# Altium PCB LimeSDR-Micro_M.2_2280_1v0.PcbDoc (part 1 of 7) (continued)
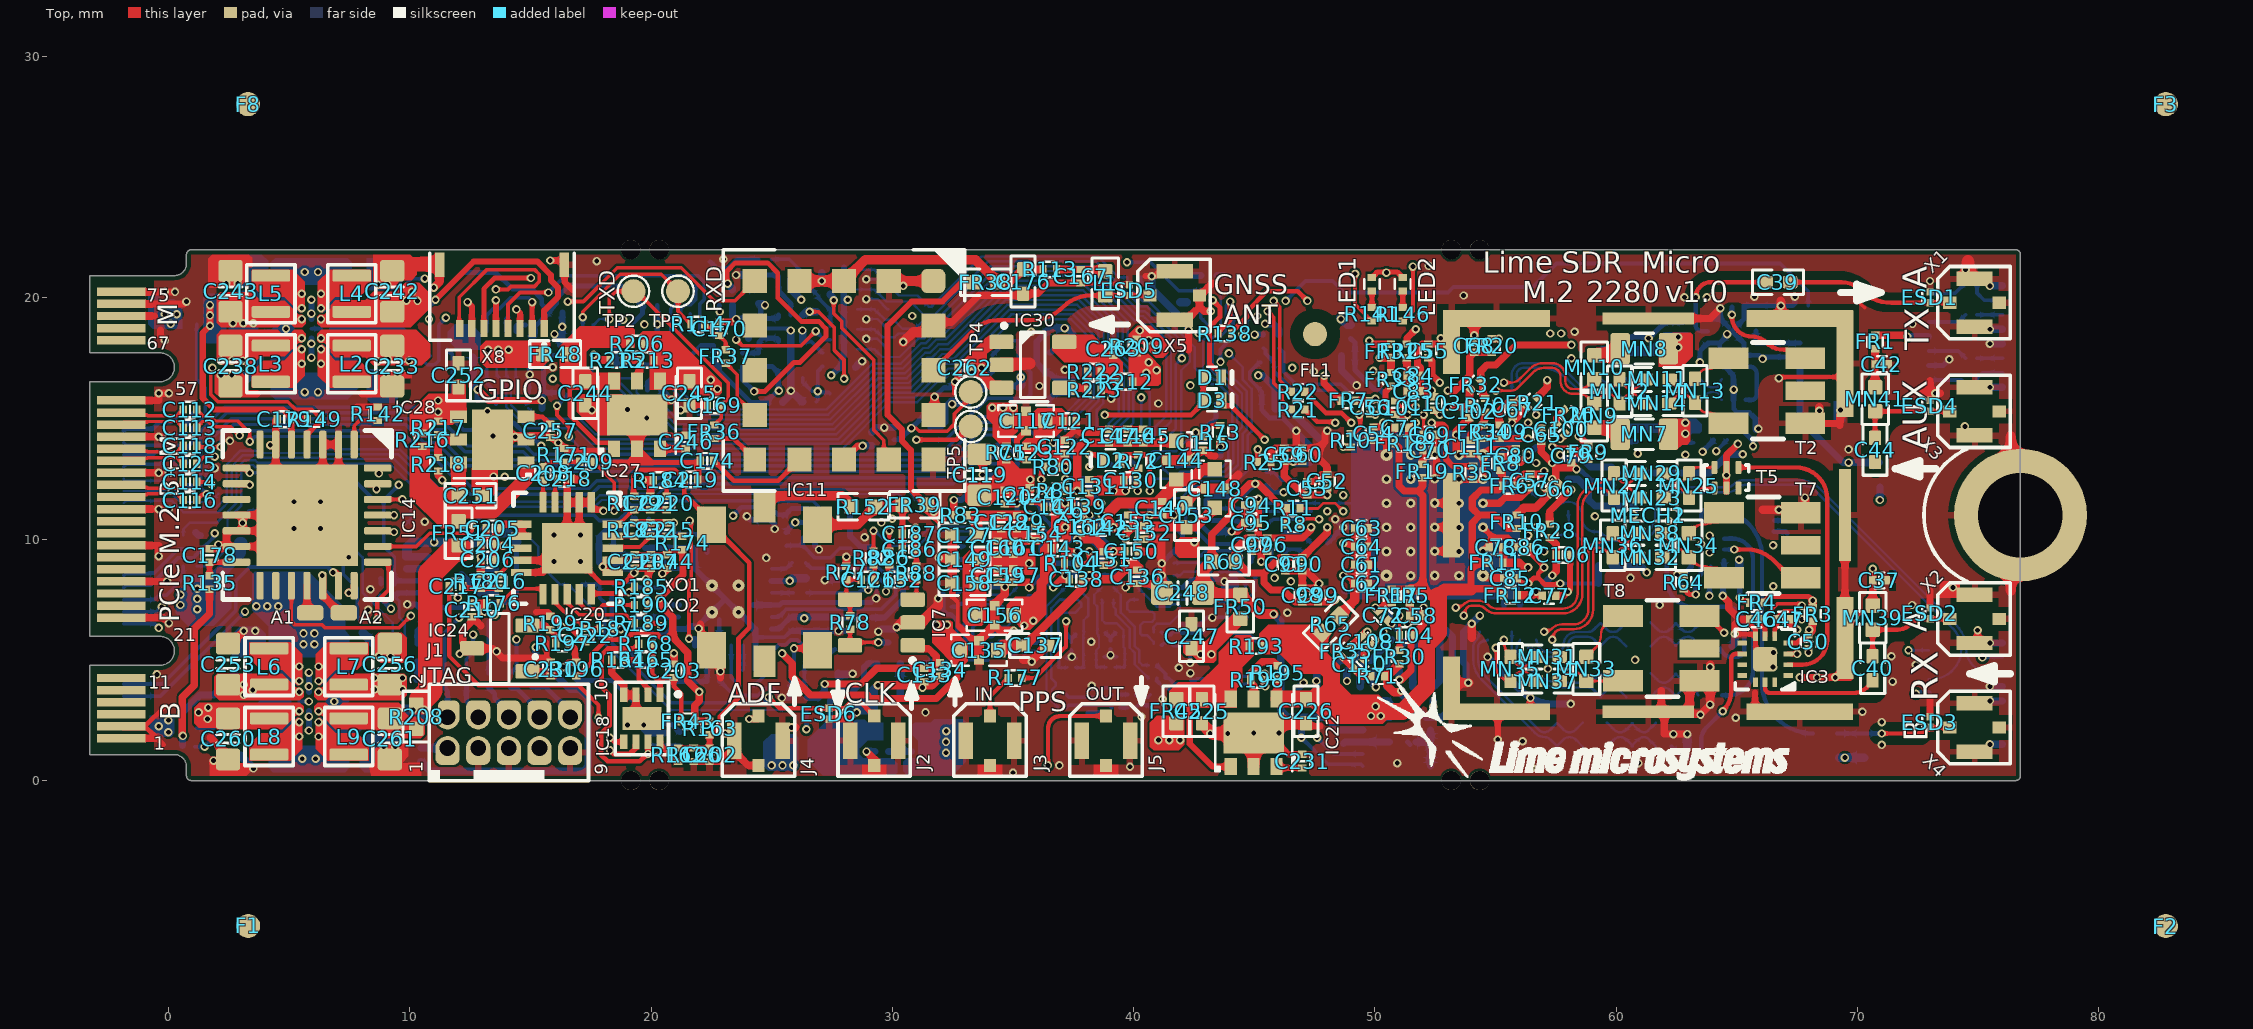
[diagram p0: Top view]
## Components (designator, comment, footprint, x,y, rotation, side; value= is the part's Value field where it differs from the comment)
C1 "4.7pF, 25V" CAP01005 37.041,5.075 r180 bottom
C2 "4.7pF, 25V" CAP01005 37.416,4.7 r180 bottom
C3 "4.7pF, 25V" CAP01005 37.791,5.075 r180 bottom
C4 "4.7pF, 25V" CAP01005 39.466,5.125 r0 bottom
C5 "4.7pF, 25V" CAP01005 39.041,4.7 r0 bottom
C6 "4.7pF, 25V" CAP01005 38.616,5.125 r0 bottom
C7 "22pF, 50V" CAP0201 45.541,17.325 r0 bottom
C8 "0R" CAP01005 35.306,5.8 r0 bottom
C9 "4.7pF, 25V" CAP01005 34.116,5.825 r90 bottom
C10 "22pF, 50V" CAP01005 33.166,6.15 r180 bottom
C11 "4.7pF, 25V" CAP01005 32.961,5.555 r0 bottom
C12 "0R" CAP01005 35.306,5.25 r0 bottom
C13 "0R" CAP01005 39.916,3.015 r0 bottom
C14 "4.7pF, 25V" CAP01005 38.141,2.96 r270 bottom
C15 "22pF, 50V" CAP01005 37.566,3.29 r90 bottom
C16 "4.7pF, 25V" CAP01005 38.141,3.62 r270 bottom
C17 "0R" CAP01005 39.916,3.565 r0 bottom
C18 "0R" CAP01005 43.741,4.11 r0 bottom
C19 "4.7pF, 25V" CAP01005 42.366,3.99 r90 bottom
C20 "22pF, 50V" CAP01005 41.341,4.075 r270 bottom
C21 "4.7pF, 25V" CAP01005 42.366,3.33 r90 bottom
C22 "0R" CAP01005 43.741,3.56 r0 bottom
C23 "0R" CAP01005 43.766,5.675 r0 bottom
C24 "4.7pF, 25V" CAP01005 42.403,5.62 r270 bottom
C25 "22pF, 50V" CAP01005 41.516,5.875 r90 bottom
C26 "4.7pF, 25V" CAP01005 42.403,6.28 r270 bottom
C27 "0R" CAP01005 43.766,6.225 r0 bottom
C28 "1uF, 6.3V" CAP0201 48.7,1.82 r270 bottom value="1uF, 20%"
C29 "100pF, 50V" CAP0201 60.216,18.1 r270 bottom
C30 "100pF, 50V" CAP0201 60.191,14.325 r90 bottom
C31 "100nF, 6.3V" CAP0201 60.866,18.1 r90 bottom
C32 "100nF, 6.3V" CAP0201 60.841,14.325 r270 bottom
C33 "100pF, 50V" CAP0201 63.316,14.35 r90 bottom
C34 "100pF, 50V" CAP0201 62.141,18.7 r270 bottom
C35 "100nF, 6.3V" CAP0201 62.441,14.35 r270 bottom
C36 "100nF, 6.3V" CAP0201 62.791,18.7 r90 bottom
C37 "1nF, 25V" CAP0201 70.905,8.295 r0 top
C38 "1nF, 25V" CAP0201 68.925,0.95 r180 bottom
C39 "510pF, 50V" CAP0402#1 66.7,20.65 r180 top
C40 "510pF, 50V" CAP0402#1 70.625,4.65 r270 top
C41 "510pF, 50V" CAP0402#2 68.65,1.95 r180 bottom
C42 "1nF, 25V" CAP0201 71.005,17.25 r0 top
C43 "1nF, 25V" CAP0201 66.436,19.405 r90 bottom
C44 "510pF, 50V" CAP0402#1 70.725,13.7 r270 top
C45 "100nF, 6.3V" CAP0201 66.966,17.85 r270 bottom
C46 "1nF, 25V" CAP0201 65.816,6.675 r180 top
C47 "1nF, 25V" CAP0201 66.916,6.675 r0 top
C48 "1nF, 25V" CAP0201 63.014,8.06 r180 bottom
C49 "1nF, 25V" CAP0201 64.141,8 r0 bottom
C50 "100nF, 6.3V" CAP0201 67.966,5.75 r270 top
C51 "100nF, 6.3V" CAP0201 65.091,8.475 r90 bottom
C52 "1uF, 6.3V" CAP0201 48.016,12.4 r90 top value="1uF, 20%"
C53 "1nF, 25V" CAP0201 47.201,12.108 r90 top
C54 "1uF, 6.3V" CAP0201 49.94,14.371 r270 top value="1uF, 20%"
C55 "1uF, 6.3V" CAP0201 52.216,17.805 r90 top value="1uF, 20%"
C56 "1uF, 6.3V" CAP0201 49.813,15.465 r270 top value="1uF, 20%"
C57 "1uF, 6.3V" CAP0201 56.438,12.415 r90 top value="1uF, 20%"
C58 "1uF, 6.3V" CAP0201 51.722,6.825 r0 top value="1uF, 20%"
C59 "1uF, 6.3V" CAP0201 46.246,13.499 r90 top value="1uF, 20%"
C60 "1nF, 25V" CAP0201 46.98,13.499 r90 top
C61 "1uF, 6.3V" CAP0201 49.443,8.935 r0 top value="1uF, 20%"
C62 "1nF, 25V" CAP0201 49.443,8.165 r0 top
C63 "1uF, 6.3V" CAP0201 49.443,10.46 r0 top value="1uF, 20%"
C64 "1nF, 25V" CAP0201 49.443,9.69 r0 top
C65 "1uF, 6.3V" CAP0201 56.891,14.325 r270 top value="1uF, 20%"
C66 "1uF, 6.3V" CAP0201 57.438,12.09 r45 top value="1uF, 20%"
C67 "1uF, 6.3V" CAP0201 55.716,15.375 r90 top value="1uF, 20%"
C68 "1uF, 6.3V" CAP0201 54.116,18.025 r90 top value="1uF, 20%"
C69 "1nF, 25V" CAP0201 52.271,14.33 r0 top
C70 "1uF, 6.3V" CAP0201 52.271,13.678 r0 top value="1uF, 20%"
C71 "1uF, 6.3V" CAP0201 51.116,14.625 r0 top value="1uF, 20%"
C72 "1uF, 6.3V" CAP0201 50.338,6.84 r315 top value="1uF, 20%"
C73 "1uF, 6.3V" CAP0201 48.011,4.55 r180 bottom value="1uF, 20%"
C74 "1uF, 6.3V" CAP0201 49.111,4.55 r180 bottom value="1uF, 20%"
C75 "1uF, 6.3V" CAP0201 50.211,4.55 r180 bottom value="1uF, 20%"
C76 "1uF, 6.3V" CAP0201 53.491,4.55 r0 bottom value="1uF, 20%"
C77 "1uF, 6.3V" CAP0201 57.216,7.65 r0 top value="1uF, 20%"
C78 "1uF, 6.3V" CAP0201 55.016,9.675 r0 top value="1uF, 20%"
C79 "1uF, 6.3V" CAP0201 58.141,13.45 r270 top value="1uF, 20%"
C80 "1uF, 6.3V" CAP0201 55.838,13.465 r270 top value="1uF, 20%"
C81 "1uF, 6.3V" CAP0201 47.591,3.6 r270 bottom value="1uF, 20%"
C82 "1uF, 6.3V" CAP0201 59.416,12.715 r270 bottom value="1uF, 20%"
C83 "1nF, 25V" CAP0201 51.605,16.125 r0 top
C84 "1uF, 6.3V" CAP0201 51.605,16.775 r0 top value="1uF, 20%"
C85 "1uF, 6.3V" CAP0201 55.613,8.39 r180 top value="1uF, 20%"
C86 "1uF, 6.3V" CAP0201 56.186,9.675 r180 top value="1uF, 20%"
C87 "1uF, 6.3V" CAP0201 59.541,8.165 r0 bottom value="1uF, 20%"
C88 "1uF, 6.3V" CAP0201 52.402,4.55 r180 bottom value="1uF, 20%"
C89 "1uF, 6.3V" CAP0201 48.891,17.6 r180 bottom value="1uF, 20%"
C90 "1nF, 25V" CAP0201 46.991,8.961 r270 top
C91 "1uF, 6.3V" CAP0201 46.291,8.961 r270 top value="1uF, 20%"
C92 "1nF, 25V" CAP0201 45.586,15.4 r180 bottom
C93 "1uF, 6.3V" CAP0201 45.586,16.15 r180 bottom value="1uF, 20%"
C94 "1nF, 25V" CAP0201 44.881,11.408 r180 top
C95 "1uF, 6.3V" CAP0201 44.881,10.691 r180 top value="1uF, 20%"
C96 "1nF, 25V" CAP0201 45.546,9.77 r270 top
C97 "1uF, 6.3V" CAP0201 44.891,9.77 r270 top value="1uF, 20%"
C98 "1nF, 25V" CAP0201 46.991,7.687 r90 top
C99 "1uF, 6.3V" CAP0201 47.641,7.687 r90 top value="1uF, 20%"
C100 "1uF, 6.3V" CAP0201 57.716,14.55 r315 top value="1uF, 20%"
C101 "1uF, 6.3V" CAP0201 50.841,15.45 r90 top value="1uF, 20%"
C102 "1uF, 6.3V" CAP0201 53.911,15.311 r270 top value="1uF, 20%"
C103 "1uF, 6.3V" CAP0201 52.466,15.625 r90 top value="1uF, 20%"
C104 "1uF, 6.3V" CAP0201 51.297,6.025 r0 top value="1uF, 20%"
C105 "1uF, 6.3V" CAP0201 51.291,4.55 r180 bottom value="1uF, 20%"
C106 "1uF, 6.3V" CAP0201 57.791,9.35 r0 top value="1uF, 20%"
C107 "1uF, 6.3V" CAP0201 59.416,11.655 r90 bottom value="1uF, 20%"
C108 "1uF, 6.3V" CAP0201 49.616,5.75 r315 top value="1uF, 20%"
C109 "1uF, 6.3V" CAP0201 55.166,14.45 r90 top value="1uF, 20%"
C110 "1uF, 6.3V" CAP0201 49.353,4.812 r45 top value="1uF, 20%"
C111 "1uF, 6.3V" CAP0201 53.966,13.825 r270 top value="1uF, 20%"
C112 "220nF, 10V" CAP0201 0.895,15.375 r0 top
C113 "220nF, 10V" CAP0201 0.895,14.625 r0 top
C114 "220nF, 10V" CAP0201 0.895,12.375 r0 top
C115 "1uF, 6.3V" CAP0201 42.875,13.97 r270 top value="1uF, 20%"
C116 "220nF, 10V" CAP0201 0.895,11.625 r0 top
C117 "1uF, 6.3V" CAP0603_FEEDTHROUGH 35.541,14.9 r0 top
C118 "220nF, 10V" CAP0201 0.895,13.875 r0 top
C119 "47uF, 6.3V" CAP0603#1 33.616,12.675 r270 top
C120 "4.7uF, 6.3V" CAP0201 34.666,11.75 r90 top
C121 "2.2uF, 6.3V" CAP0201 37.341,14.9 r180 top
C122 "4.7uF, 6.3V" CAP0201 37.141,13.825 r270 top
C123 "4.7uF, 6.3V" CAP0201 35.566,13.575 r90 top
C124 "3.3nF, 16V" CAP0201 35.691,11.85 r270 top
C125 "220nF, 10V" CAP0201 0.895,13.125 r0 top
C126 "100nF, 6.3V" CAP0201 28.995,8.325 r180 top
C127 "10uF, 10V" CAP0402#1 32.991,10.175 r0 top
C128 "1uF, 6.3V" CAP0201 34.516,10.7 r270 top value="1uF, 20%"
C129 "220nF, 10V" CAP0201 35.166,10.7 r270 top
C130 "4.7uF, 6.3V" CAP0201 39.866,12.45 r180 top
C131 "4.7uF, 6.3V" CAP0201 38.166,12.2 r90 top
C132 "100nF, 6.3V" CAP0201 30.095,8.325 r0 top
C133 "100pF, 50V" CAP0201 31.325,4.375 r90 top
C134 "100nF, 6.3V" CAP0201 31.975,4.6 r270 top
C135 "1uF, 6.3V" CAP0603_FEEDTHROUGH 33.591,5.4 r0 top
C136 "2.2uF, 6.3V" CAP0201 40.141,8.45 r90 top
C137 "10uF, 10V" CAP0402#1 35.916,5.6 r180 top
C138 "4.7uF, 6.3V" CAP0201 37.616,8.35 r0 top
C139 "4.7uF, 6.3V" CAP0201 37.716,11.35 r180 top
C140 "4.7uF, 6.3V" CAP0201 41.191,11.28 r90 top
C141 "4.7uF, 6.3V" CAP0201 36.566,11.35 r0 top
C142 "4.7uF, 6.3V" CAP0201 38.641,10.475 r0 top
C143 "4.7uF, 6.3V" CAP0201 36.856,9.62 r180 top
C144 "1uF, 6.3V" CAP0603_FEEDTHROUGH 41.766,13.275 r90 top
C145 "2.2uF, 6.3V" CAP0201 40.403,14.28 r270 top
C146 "4.7uF, 6.3V" CAP0201 39.753,14.28 r270 top
C147 "4.7uF, 6.3V" CAP0201 38.978,14.28 r270 top
C148 "1uF, 6.3V" CAP0603_FEEDTHROUGH 43.366,12.1 r270 top
C149 "10uF, 10V" CAP0402#1 32.991,9.175 r0 top
C150 "1uF, 6.3V" CAP0201 39.911,9.5 r0 top value="1uF, 20%"
C151 "100nF, 6.3V" CAP0201 38.766,9.2 r270 top
C152 "2.2uF, 6.3V" CAP0201 40.441,10.275 r90 top
C153 "10uF, 10V" CAP0402#1 42.191,11 r270 top
C154 "4.7uF, 6.3V" CAP0201 35.916,10.225 r90 top
C155 "4.7uF, 6.3V" CAP0201 39.766,10.72 r270 top
C156 "1uF, 6.3V" CAP0603_FEEDTHROUGH 34.241,6.85 r180 top
C157 "2.2uF, 6.3V" CAP0201 35.016,8.5 r90 top
C158 "10uF, 10V" CAP0402#1 32.991,8.175 r0 top
C159 "4.7uF, 6.3V" CAP0201 34.366,8.5 r90 top
C160 "4.7uF, 6.3V" CAP0201 34.366,9.65 r270 top
C161 "4.7uF, 6.3V" CAP0201 35.016,9.65 r270 top
C162 "4.7uF, 6.3V" CAP0201 37.816,10.525 r270 top
C163 "100nF, 6.3V" CAP0201 28.195,17.125 r180 bottom
C164 "100nF, 6.3V" CAP0201 16.05,19.4 r0 bottom
C165 "100nF, 6.3V" CAP0201 20.125,16.175 r180 bottom
C166 "100nF, 6.3V" CAP0201 19.975,19.625 r0 bottom
C167 "1nF, 25V" CAP0201 37.8,20.9 r270 top
C168 "100nF, 6.3V" CAP0201 32.43,16.035 r90 bottom
C169 "22pF, 50V" CAP0201 22.625,15.55 r180 top
C170 "22pF, 50V" CAP0201 22.825,18.725 r90 top
C171 "22pF, 50V" CAP0201 29.15,14.15 r90 bottom
C172 "100nF, 6.3V" CAP0201 15.2,16.075 r0 bottom
C173 "100nF, 6.3V" CAP0201 23.1,19.7 r0 bottom
C174 "22pF, 50V" CAP0201 22.325,13.25 r180 top
C175 "100pF, 50V" CAP0201 27.085,21.33 r270 bottom
C176 "4.7uF, 6.3V" CAP0402#1 35.42,20.68 r90 top
C177 "100nF, 6.3V" CAP0201 9.89,9.055 r270 bottom
C178 "100nF, 6.3V" CAP0201 1.705,9.33 r90 top
C179 "100nF, 6.3V" CAP0201 4.795,14.97 r180 top
C180 "100nF, 6.3V" CAP0201 27.345,5.55 r0 bottom
C181 "100nF, 6.3V" CAP0201 23.95,3.925 r180 bottom
C182 "100nF, 6.3V" CAP0201 24.075,4.575 r180 bottom
C183 "1nF, 25V" CAP0201 27.475,4.325 r180 bottom
C184 "100pF, 50V" CAP0201 27.7,8.525 r90 bottom
C185 "100pF, 50V" CAP0201 28.35,8.05 r270 bottom
C186 "100nF, 6.3V" CAP0201 30.695,9.58 r0 top
C187 "1uF, 6.3V" CAP0201 30.695,10.225 r0 top value="1uF, 20%"
C188 "1uF, 6.3V" CAP0201 19.75,9.925 r270 bottom value="1uF, 20%"
C189 "100pF, 50V" CAP0201 22.6,4.75 r180 bottom
C190 "100pF, 50V" CAP0201 20.375,9.925 r90 bottom
C191 "1uF, 6.3V" CAP0201 28.075,6.5 r270 bottom value="1uF, 20%"
C192 "100pF, 50V" CAP0201 26.725,8.375 r180 bottom
C193 "100pF, 50V" CAP0201 25.875,6.5 r90 bottom
C194 "100nF, 6.3V" CAP0201 22.6,4.1 r180 bottom
C195 "100nF, 6.3V" CAP0201 27.15,6.5 r90 bottom
C196 "1uF, 6.3V" CAP0201 19.275,6.5 r270 bottom value="1uF, 20%"
C197 "100pF, 50V" CAP0201 19.1,9.095 r90 bottom
C198 "100pF, 50V" CAP0201 19.925,6.5 r90 bottom
C199 "100nF, 6.3V" CAP0201 18.45,9.095 r90 bottom
C200 "100nF, 6.3V" CAP0201 20.55,1.705 r90 bottom
C201 "1nF, 25V" CAP0201 24.625,10.995 r90 bottom
C202 "100nF, 6.3V" CAP0201 22.425,1.065 r270 top
C203 "100nF, 6.3V" CAP0201 20.95,4.55 r90 top
C204 "100pF, 50V" CAP0201 13.225,9.8 r0 top
C205 "100pF, 50V" CAP0201 13.445,10.45 r0 top
C206 "100pF, 50V" CAP0201 13.225,9.15 r0 top
C207 "100nF, 6.3V" CAP0201 20,9.075 r270 top
C208 "100pF, 50V" CAP0201 15.525,12.725 r270 top
C209 "100pF, 50V" CAP0201 17.325,13.205 r180 top
C210 "100pF, 50V" CAP0201 12.58,7.07 r90 top
C211 "100pF, 50V" CAP0201 19.325,9.075 r90 top
C212 "100pF, 50V" CAP0201 19.975,10.4 r90 top
C213 "100nF, 6.3V" CAP0201 24.225,19.15 r180 bottom
C214 "100nF, 6.3V" CAP0201 24.225,20.95 r0 bottom
C215 "100nF, 6.3V" CAP0201 20.65,10.4 r270 top
C216 "1nF, 25V" CAP0201 13.7,8.25 r270 top
C217 "1nF, 25V" CAP0201 11.92,8.045 r180 top
C218 "100pF, 50V" CAP0201 16.4,12.5 r180 top
C219 "22pF, 50V" CAP0201 21.655,12.475 r180 top
C220 "22pF, 50V" CAP0201 20.65,11.5 r270 top
C221 "22pF, 50V" CAP0201 19.975,11.5 r270 top
C222 "22pF, 50V" CAP0201 17.275,6.02 r270 top
C223 "100nF, 6.3V" CAP0201 25.125,15.7 r0 bottom
C224 "100nF, 6.3V" CAP0201 24.325,18.325 r0 bottom
C225 "4.7uF, 6.3V" CAP0402#1 42.825,2.875 r90 top
C226 "4.7uF, 6.3V" CAP0402#1 47.14,2.875 r90 top
C227 "1uF, 10V" CAP0402#2 3.525,9.85 r180 bottom
C228 "10uF, 10V" CAP0603#2 5.425,8.65 r270 bottom
C229 "100nF, 6.3V" CAP0201 10.75,7.1 r180 bottom
C230 "100nF, 6.3V" CAP0201 15.851,4.618 r90 top
C231 "100pF, 50V" CAP0201 46.995,0.805 r270 top
C232 "10uF, 10V" CAP0603#2 4.025,16.4 r0 bottom
C233 "47uF, 6.3V" CAP0603#1 9.275,17.175 r90 top
C234 "10uF, 10V" CAP0603#2 4.025,21.05 r0 bottom
C235 "4.7uF, 6.3V" CAP0402#2 28.175,2.55 r270 bottom
C236 "4.7uF, 6.3V" CAP0402#2 32.586,2.546 r270 bottom
C237 "10uF, 10V" CAP0603#2 7.825,16.4 r180 bottom
C238 "47uF, 6.3V" CAP0603#1 2.575,17.175 r90 top
C239 "10uF, 10V" CAP0603#2 7.825,21.05 r180 bottom
C240 "100pF, 50V" CAP0201 32.295,4.57 r90 bottom
C241 "100nF, 6.3V" CAP0201 4.15,18.845 r270 bottom
C242 "47uF, 6.3V" CAP0603#1 9.275,20.275 r270 top
C243 "47uF, 6.3V" CAP0603#1 2.575,20.275 r270 top
C244 "4.7uF, 6.3V" CAP0402#1 17.275,16.05 r90 top
C245 "4.7uF, 6.3V" CAP0402#1 21.59,16.05 r90 top
C246 "100pF, 50V" CAP0201 21.445,14.03 r270 top
C247 "4.7uF, 6.3V" CAP0402#1 42.4,5.975 r270 top
C248 "10uF, 10V" CAP0603#1 42.025,7.775 r0 top
C249 "1uF, 6.3V" CAP0201 70.05,13.455 r90 bottom value="1uF, 20%"
C250 "10uF, 10V" CAP0603#2 7.725,0.95 r180 bottom
C251 "4.7uF, 6.3V" CAP0402#1 12.525,11.8 r180 top
C252 "4.7uF, 6.3V" CAP0402#1 12.025,16.79 r270 top
C253 "47uF, 6.3V" CAP0603#1 2.475,4.825 r270 top
C254 "10uF, 10V" CAP0603#2 7.85,5.6 r180 bottom
C255 "10uF, 10V" CAP0603#2 3.925,5.6 r0 bottom
C256 "47uF, 6.3V" CAP0603#1 9.175,4.825 r270 top
C257 "100pF, 50V" CAP0201 15.825,14.495 r90 top
C258 "10uF, 10V" CAP0603#2 3.925,0.95 r0 bottom
C259 "100nF, 6.3V" CAP0201 7.6,3.105 r90 bottom
C260 "47uF, 6.3V" CAP0603#1 2.475,1.725 r90 top
C261 "47uF, 6.3V" CAP0603#1 9.175,1.725 r90 top
C262 "1uF, 6.3V" CAP0201 33,17.1 r180 top value="1uF, 20%"
C263 "1uF, 6.3V" CAP0201 39.15,17.9 r90 top value="1uF, 20%"
D1 "RB521S-30L2-TP" RB521S-30L2-TP_DFN1006#1 43.25,16.7 r0 top
D2 "RB521S-30L2-TP" RB521S-30L2-TP_DFN1006#1 39.05,13.275 r180 top
D3 "RB521S-30L2-TP" RB521S-30L2-TP_DFN1006#2 43.25,15.75 r0 top
ESD1 "ESD8472" ESD8472_X3DFN2 73,20.025 r90 top
ESD2 "ESD8472" ESD8472_X3DFN2 73,6.925 r90 top
ESD3 "ESD8472" ESD8472_X3DFN2 73,2.425 r90 top
ESD4 "ESD8472" ESD8472_X3DFN2 73,15.525 r90 top
ESD5 "ESD8472" ESD8472_X3DFN2 39.825,20.325 r90 top
ESD6 "ESD8472" ESD8472_X3DFN2 27.375,2.775 r270 top
F1 "Fiducial" Fiducial 3.305,-6.025 r0 top locked
F2 "Fiducial" Fiducial 82.775,-6.03 r0 top locked
F3 "Fiducial" Fiducial 82.775,28.03 r0 top locked
F4 "Fiducial" Fiducial 3.3,28.03 r180 bottom locked
F5 "Fiducial" Fiducial 3.305,-6.025 r180 bottom locked
F6 "Fiducial" Fiducial 82.775,-6.03 r180 bottom locked
F7 "Fiducial" Fiducial 82.775,28.03 r180 bottom locked
F8 "Fiducial" Fiducial 3.3,28.03 r0 top locked
FL1 "Fiducial" Fiducial_local 47.516,18.5 r0 top
FL2 "Fiducial" Fiducial_local 47.516,18.5 r180 bottom
FR1 "600R, 0.27A" RES0201 70.725,18.175 r90 top value=600R@100MHz
FR2 "600R, 0.27A" RES0201 67.616,17.85 r90 bottom value=600R@100MHz
FR3 "600R, 0.27A" RES0201 68.141,6.885 r90 top value=600R@100MHz
FR4 "600R, 0.27A" RES0201 65.816,7.375 r0 top value=600R@100MHz
FR5 "600R, 0.27A" RES0201 51.441,7.65 r90 top value=600R@100MHz
FR6 "600R, 0.27A" RES0201 55.563,12.215 r180 top value=600R@100MHz
FR7 "600R, 0.27A" RES0201 48.888,15.745 r180 top value=600R@100MHz
FR8 "600R, 0.27A" RES0201 55.188,13.14 r270 top value=600R@100MHz
FR9 "600R, 0.27A" RES0201 58.843,13.595 r90 top value=600R@100MHz
FR10 "600R, 0.27A" RES0201 55.875,10.72 r270 top value=600R@100MHz
FR11 "600R, 0.27A" RES0201 55.016,9.025 r180 top value=600R@100MHz
FR12 "600R, 0.27A" RES0201 55.616,7.675 r180 top value=600R@100MHz
FR13 "600R, 0.27A" RES0201 53.216,3.6 r270 bottom value=600R@100MHz
FR14 "600R, 0.27A" RES0201 50.491,3.6 r270 bottom value=600R@100MHz
FR15 "600R, 0.27A" RES0201 49.386,3.6 r270 bottom value=600R@100MHz
FR16 "600R, 0.27A" RES0201 48.841,2.725 r0 bottom value=600R@100MHz
FR17 "600R, 0.27A" RES0201 50.691,7.65 r90 top value=600R@100MHz
FR18 "600R, 0.27A" RES0201 51.116,13.975 r180 top value=600R@100MHz
FR19 "600R, 0.27A" RES0201 51.966,12.825 r270 top value=600R@100MHz
FR20 "600R, 0.27A" RES0201 54.841,18.025 r90 top value=600R@100MHz
FR21 "600R, 0.27A" RES0201 56.513,15.665 r45 top value=600R@100MHz
FR22 "600R, 0.27A" RES0201 60.321,12.745 r0 bottom value=600R@100MHz
FR23 "600R, 0.27A" RES0201 52.416,3.6 r270 bottom value=600R@100MHz
FR24 "600R, 0.27A" RES0201 59.541,8.9 r0 bottom value=600R@100MHz
FR25 "600R, 0.27A" RES0201 51.325,17.805 r90 top value=600R@100MHz
FR26 "600R, 0.27A" RES0201 58.041,15.15 r315 top value=600R@100MHz
FR27 "600R, 0.27A" RES0201 60.441,11.355 r180 bottom value=600R@100MHz
FR28 "600R, 0.27A" RES0201 57.236,10.35 r270 top value=600R@100MHz
FR29 "600R, 0.27A" RES0201 51.566,3.6 r270 bottom value=600R@100MHz
FR30 "600R, 0.27A" RES0201 51.017,5.12 r270 top value=600R@100MHz
FR31 "600R, 0.27A" RES0201 50.666,17.8 r270 top value=600R@100MHz
FR32 "600R, 0.27A" RES0201 54.184,16.398 r45 top value=600R@100MHz
FR33 "600R, 0.27A" RES0201 50.666,16.625 r90 top value=600R@100MHz
FR34 "600R, 0.27A" RES0201 54.516,14.45 r270 top value=600R@100MHz
FR35 "600R, 0.27A" RES0201 48.816,5.35 r225 top value=600R@100MHz
FR36 "600R, 0.27A" RES0201 22.625,14.45 r270 top value=600R@100MHz
FR37 "600R, 0.27A" RES0201 23.1,17.575 r270 top value=600R@100MHz
FR38 "220R, 0.9A" RES0402#1 33.875,20.65 r0 top
FR39 "220R, 0.9A" RES0402#1 30.925,11.425 r0 top
FR40 "600R, 0.27A" RES0201 19.625,10.85 r0 bottom value=600R@100MHz
FR41 "600R, 0.27A" RES0201 28.875,6.75 r180 bottom value=600R@100MHz
FR42 "600R, 0.27A" RES0201 18.125,9.975 r0 bottom value=600R@100MHz
FR43 "600R, 0.27A" RES0201 21.53,2.455 r180 top value=600R@100MHz
FR44 "600R, 0.27A" RES0201 20.675,9.075 r270 top value=600R@100MHz
FR45 "220R, 0.9A" RES0402#1 41.775,2.875 r90 top
FR46 "600R, 2A" RES0805#1 2.875,7.9 r0 bottom
FR47 "220R, 0.9A" RES0402#2 26.3,1.25 r0 bottom
FR48 "220R, 0.9A" RES0402#1 16.025,17.675 r0 top
FR49 "220R, 0.9A" RES0402#2 70.925,12.65 r90 bottom
FR50 "220R, 0.9A" RES0402#1 44.425,7.2 r90 top
FR51 "220R, 0.9A" RES0402#1 12.025,10.25 r90 top
IC1 "LMS7002M" LMS7002M_V5_LESS_SILK 52.68,11 r180 bottom locked
IC2 "M24128" M24128-DFMC6TG 50.9,1.35 r180 bottom
IC3 "SKY13414-485LF" SKY13414-485LF_RF_SW_QFN14 66.166,5.025 r180 top
IC4 "SKY13414-485LF" SKY13414-485LF_RF_SW_QFN14 63.516,9.8 r180 bottom
IC5 "SKY13330-397LF" SKY13330-397LF_RF_SW_QFN12 64.791,18.625 r0 bottom
IC6 "LA9310X7S11AA" LA9310X7S11AA 38.167,11 r0 bottom locked
IC7 "SN65LVDS1" SOT23-5_NO_SILK 29.545,6.55 r180 top
IC8 "SN74AVC4T774" SN74AVC4T774_v1 13.8,17.825 r180 bottom locked
IC9 "SN74AVC4T774" SN74AVC4T774_v1 21.425,17.825 r180 bottom locked
IC10 "TMP1075NDRLR" TMP1075NDRLR_TEMPERATURE_SENSOR_SOT563 30.825,14.625 r0 bottom
IC11 "GNSS M10578-A3" M10578-A3_V2 28,17 r270 top locked
IC12 "SN74AVC4T774" SN74AVC4T774_v1 17.375,17.825 r180 bottom locked
IC13 "M24512" M24128-DFMC6TG 12.15,8.525 r180 bottom
IC14 "MCP23017-E/ML" MCP23017-E/ML_QFN28 5.75,11 r270 top locked
IC15 "LMK00105" LMK00105SQ 23.075,7.525 r0 bottom
IC16 "74LVC1G3157FZ4" 74LVC1G3157FZ4_SPDT_SW_DFN1410-6 26.075,3.425 r0 bottom
IC17 "74LVC1G3157FZ4" 74LVC1G3157FZ4_SPDT_SW_DFN1410-6 26.787,10.438 r90 bottom
IC18 "AD5693BCPZ-RL7" AD5693RACPZ-1RL7_DAC_8LFCSP 19.625,2.575 r270 top
IC19 "SN74AVC1T45DRLR" SN74AVC1T45DRLR_SOT-5X3 25.789,20.04 r270 bottom
IC20 "ADF4002" ADF4002 16.525,9.625 r270 top
IC21 "SN74AVC1T45DRLR" SN74AVC1T45DRLR_SOT-5X3 25.789,17.44 r270 bottom
IC22 "LD39100PUR" LD39100PUR 44.975,1.975 r0 top
IC23 "74LVC1G3157FZ4" 74LVC1G3157FZ4_SPDT_SW_DFN1410-6 10.3,5.288 r90 bottom
IC24 "AS431" SOT23-3_v3 13.726,5.475 r180 top
IC25 "LP8758A2E3YFFR" LP8758A1E0YFFR_QUAD_DC-DC_35DSBGA 5.925,18.725 r0 bottom
IC26 "LD39100PUR" LD39100PUR 30.325,3.45 r0 bottom
IC27 "LD39100PUR" LD39100PUR 19.425,15.15 r0 top
IC28 "LD39100PUR" LD39100PUR 13.425,14.125 r90 top
IC29 "LP8758A2E3YFFR" LP8758A1E0YFFR_QUAD_DC-DC_35DSBGA 5.825,3.275 r180 bottom
IC30 "AP7330" AP7330-W5-7_SOT25 35.825,17.225 r0 top
J1 "JTAG" HEADER_5x2_TH_HALF_PITCH 14.11,1.985 r0 top locked
J2 "MHF4" IPEX_MHF4_conn 29.25,1.65 r0 top
J3 "MHF4" IPEX_MHF4_conn 34.05,1.65 r0 top
J4 "MHF4" IPEX_MHF4_conn 24.45,1.65 r0 top
J5 "MHF4" IPEX_MHF4_conn 38.85,1.65 r0 top
L1 "47nH" RES0402#1 38.825,20.6 r90 top
L2 "0.47uH, 4A" IND0806 7.6,17.275 r90 top
L3 "0.47uH, 4A" IND0806 4.25,17.275 r90 top
L4 "0.47uH, 4A" IND0806 7.6,20.175 r270 top
L5 "0.47uH, 4A" IND0806 4.25,20.175 r270 top
L6 "0.47uH, 4A" IND0806 4.175,4.725 r270 top
L7 "0.47uH, 4A" IND0806 7.475,4.725 r270 top
L8 "0.47uH, 4A" IND0806 4.175,1.825 r90 top
L9 "0.47uH, 4A" IND0806 7.475,1.825 r90 top
LED1 "LED_green" LED0201 49.875,20.57 r270 top
LED2 "LED_green" LED0201 51.15,20.57 r270 top
MECH1 "BMI-S-202-C" BMI-S-202-C_RF_SHIELD_COVER 61.325,11 r0 top
MECH2 "BMI-S-202-F" BMI-S-202-F_RF_SHIELD_FRAME_v3 61.325,11 r0 top locked
MN1 "10 nH, 5%" RES0402#2 59.316,15.2 r270 bottom
MN2 "10 nH, 5%" RES0402#2 59.316,17.2 r90 bottom
MN3 "10 pF, 50V" CAP0402#2 61.916,16.7 r0 bottom
MN4 "0.5pF" CAP0402#2 63.466,16.2 r270 bottom
MN5 "1pF" CAP0402#2 60.366,16.2 r90 bottom
MN6 "10 pF, 50V" CAP0402#2 61.916,15.7 r180 bottom
MN7 "100uH" RES0805#2 61.166,14.35 r0 top
MN8 "100uH" RES0805#2 61.166,17.9 r0 top
MN9 "0R" RES0402#1 59.091,15.125 r270 top
MN10 "0R" RES0402#1 59.091,17.125 r90 top
MN11 "100nF, 16V" CAP0402#1 61.716,16.625 r180 top
MN12 "1pF, 50V" CAP0402#1 60.141,16.125 r270 top
MN13 "2pF, 50V" CAP0402#1 63.266,16.15 r90 top
MN14 "100nF, 16V" CAP0402#1 61.691,15.625 r0 top
MN15 "470pF, 50V" CAP0402#2 60.918,6.555 r180 bottom
MN16 "470pF, 50V" CAP0402#2 59.113,2.403 r180 bottom
MN17 "10 nH, 5%" RES0402#2 60.663,1.903 r90 bottom
MN18 "10 nH, 5%" RES0402#2 62.468,6.055 r90 bottom
MN19 "1pF, 50V" CAP0402#2 57.563,1.903 r90 bottom
MN20 "1pF, 50V" CAP0402#2 59.368,6.055 r90 bottom
MN21 "470pF, 50V" CAP0402#2 59.113,1.403 r180 bottom
MN22 "470pF, 50V" CAP0402#2 60.918,5.555 r180 bottom
MN23 "10 pF, 50V" CAP0402#1 61.464,11.725 r180 top
MN24 "10 pF, 50V" CAP0402#2 60.918,4.455 r180 bottom
MN25 "0.5pF, 50V" CAP0402#1 63.014,12.225 r270 top
MN26 "0.5pF, 50V" CAP0402#2 62.468,3.955 r90 bottom
MN27 "1pF, 50V" CAP0402#1 59.914,12.225 r270 top
MN28 "1pF, 50V" CAP0402#2 59.368,3.955 r90 bottom
MN29 "10 pF, 50V" CAP0402#1 61.464,12.725 r180 top
MN30 "10 pF, 50V" CAP0402#2 60.918,3.455 r180 bottom
MN31 "100pF, 50V" CAP0402#1 57.166,5.125 r180 top
MN32 "100pF, 50V" CAP0402#1 61.404,9.25 r180 top
MN33 "10 nH, 5%" RES0402#1 58.766,4.625 r90 top
MN34 "10 nH, 5%" RES0402#1 63.004,9.75 r270 top
MN35 "0.8pF" CAP0402#1 55.616,4.625 r90 top
MN36 "0.8pF" CAP0402#1 59.854,9.75 r270 top
MN37 "100pF, 50V" CAP0402#1 57.166,4.125 r180 top
MN38 "100pF, 50V" CAP0402#1 61.404,10.25 r180 top
MN39 "47nH" RES0402#1 70.625,6.75 r90 top
MN40 "47nH" RES0402#2 70.25,1.45 r270 bottom
MN41 "47nH" RES0402#1 70.725,15.8 r90 top
R1 "243R, 1%" RES01005 36.876,4.51 r90 bottom
R2 "220R, 1%" RES01005 37.066,6.05 r0 bottom
R3 "82R, 1%" RES01005 37.416,5.575 r90 bottom
R4 "220R, 1%" RES01005 37.766,6.05 r180 bottom
R5 "243R, 1%" RES01005 37.956,4.51 r90 bottom
R6 "100R, 1%" RES0201 67.1,10.53 r270 bottom
R7 "0R" RES0201 46.166,10.02 r90 bottom
R8 "10k, 1%" RES0201 46.616,10.625 r0 top
R9 "100R, 1%" RES0201 59.266,10.025 r270 bottom
R10 "10k, 1%" RES0201 48.991,14.1 r270 top
R11 "10k, 1%" RES0201 46.616,11.275 r180 top
R12 "10k, 1%" RES0201 45.341,10.675 r180 bottom
R13 "10k, 1%" RES0201 44.391,10.99 r270 bottom
R14 "243R, 1%" RES01005 39.581,4.51 r90 bottom
R15 "0R" RES0402#2 43.491,10.775 r90 bottom
R16 "220R, 1%" RES01005 39.416,6.125 r180 bottom
R17 "82R, 1%" RES01005 39.041,5.625 r90 bottom
R18 "220R, 1%" RES01005 38.666,6.125 r0 bottom
R19 "243R, 1%" RES01005 38.501,4.51 r90 bottom
R20 "47R, 1%" RES0201 45.366,18.2 r90 bottom
R21 "47R, 1%" RES0201 46.816,15.375 r180 top
R22 "47R, 1%" RES0201 46.816,16.107 r180 top
R23 "47R, 1%" RES0201 46.016,18.2 r90 bottom
R24 "0R" RES0201 45.491,12.5 r270 bottom
R25 "10k, 1%" RES0201 45.416,13.2 r180 top
R26 "0R" RES0201 9.075,8.375 r180 bottom
R27 "220R, 1%" RES01005 34.656,5.8 r0 bottom
R28 "0R" RES01005 33.541,6.735 r270 bottom
R29 "1k, 1%" RES01005 33.666,5.825 r90 bottom
R30 "0R" RES0201 9.075,7.65 r180 bottom
R31 "100R, 1%" RES01005 35.856,5.525 r270 bottom
R32 "1k, 1%" RES01005 33.491,5.175 r90 bottom
R33 "220R, 1%" RES01005 34.656,5.25 r0 bottom
R34 "0R" RES01005 32.991,6.735 r270 bottom
R35 "10k, 1%" RES0201 54.066,12.75 r270 top
R36 "220R, 1%" RES01005 39.266,3.015 r0 bottom
R37 "0R" RES01005 37.041,3.015 r0 bottom
R38 "1k, 1%" RES01005 38.666,2.96 r270 bottom
R39 "100R, 1%" RES01005 40.441,3.29 r90 bottom
R40 "1k, 1%" RES01005 38.691,3.62 r270 bottom
R41 "220R, 1%" RES01005 39.266,3.565 r0 bottom
R42 "0R" RES01005 37.041,3.565 r0 bottom
R43 "220R, 1%" RES01005 43.091,3.935 r0 bottom
R44 "0R" RES01005 40.791,4.785 r0 bottom
R45 "1k, 1%" RES01005 41.791,4.165 r90 bottom
R46 "100R, 1%" RES01005 44.416,4.16 r270 bottom
R47 "1k, 1%" RES01005 41.791,3.505 r90 bottom
R48 "220R, 1%" RES01005 43.091,3.385 r0 bottom
R49 "0R" RES01005 40.791,4.235 r0 bottom
R50 "220R, 1%" RES01005 43.116,5.675 r0 bottom
R51 "0R" RES01005 40.991,5.6 r0 bottom
R52 "1k, 1%" RES01005 41.891,5.425 r270 bottom
R53 "3k3, 1%" RES0201 46.955,2.345 r90 bottom
R54 "3k3, 1%" RES0201 47.605,2.345 r90 bottom
R55 "100R, 1%" RES01005 44.316,5.95 r90 bottom
R56 "1k, 1%" RES01005 41.891,6.325 r270 bottom
R57 "220R, 1%" RES01005 43.116,6.225 r0 bottom
R58 "0R" RES01005 40.991,6.15 r0 bottom
R59 "1k, 1%" RES0201 67.95,19.405 r90 bottom
R60 "1k, 1%" RES0201 64.316,14.125 r180 bottom
R61 "1k, 1%" RES0201 64.311,14.85 r180 bottom
R62 "4.7k, 1%" RES0201 67.2,19.405 r90 bottom
R63 "4.7k, 1%" RES0201 65.511,14.85 r0 bottom
R64 "4.7k, 1%" RES0201 62.791,8.225 r90 top
R65 "0R" RES0402#1 48.162,6.471 r45 top
R66 "10R, 1%" RES0201 46.816,3.601 r270 bottom
R67 "10R, 1%" RES0201 48.291,3.6 r270 bottom
R68 "0R" RES0201 48.991,18.6 r90 bottom
R69 "0R" RES0402#1 43.741,9.075 r0 top
R70 "10R, 1%" RES0201 54.566,15.55 r90 top
R71 "10R, 1%" RES0201 50.116,4.325 r180 top
R72 "10k, 1%" RES0201 40.191,13.225 r90 top
R73 "10k, 1%" RES0201 43.596,14.435 r90 top
R74 "100k, 1%" RES0201 0.9,18.9 r0 bottom
R75 "0R33, 1%" RES0201 34.716,13.575 r90 top
R76 "0R" RES0201 13.575,14.825 r0 bottom
R77 "10k, 1%" RES0201 28.095,8.605 r270 top
R78 "0R" RES0201 28.25,6.55 r90 top
R79 "47R, 1%" RES0201 43.036,14.38 r270 bottom
R80 "698R, 1%" RES0201 36.667,13 r0 top
R81 "200R, 1%" RES0201 36.841,12 r0 top
R82 "6.8R, 1%" RES0201 29.22,9.225 r90 top
R83 "5R1, 1%" RES0201 32.829,11 r180 top
R84 "0R" RES0201 46,9.025 r180 bottom
R85 "47R, 1%" RES0201 29.85,6.005 r90 bottom
R86 "6.8R, 1%" RES0201 29.87,9.225 r90 top
R87 "1k, 1%" RES0201 43.316,13.45 r0 bottom
R88 "0R" RES0201 31,8.6 r270 top
R89 "10k, 1%" RES0201 12.55,15.8 r180 bottom
R90 "10R, 1%" RES0201 10.455,1.07 r270 bottom
R91 "47R, 1%" RES0201 11.45,4.15 r270 bottom
R92 "47R, 1%" RES0201 12.35,4.15 r270 bottom
R93 "47R, 1%" RES0201 13.25,4.15 r270 bottom
R94 "47R, 1%" RES0201 14.15,4.15 r270 bottom
R95 "0R" RES0201 15.05,4.15 r90 bottom
R96 "47R, 1%" RES01005 33.135,9.705 r180 bottom
R97 "47R, 1%" RES01005 33.14,9.15 r180 bottom
R98 "47R, 1%" RES01005 33.031,7.35 r180 bottom
R99 "47R, 1%" RES01005 33.031,7.925 r180 bottom
R100 "47R, 1%" RES01005 43.291,7.4 r0 bottom
R101 "47R, 1%" RES01005 43.291,7.9 r0 bottom
R102 "47R, 1%" RES01005 43.376,9.2 r0 bottom
R103 "47R, 1%" RES01005 43.376,8.65 r0 bottom
R104 "2.67k, 1%" RES0201 37.416,9 r180 top
R105 "0R" RES01005 32.421,9.87 r90 bottom
R106 "0R" RES01005 32.426,8.985 r270 bottom
R107 "0R" RES01005 32.271,7.2 r180 bottom
R108 "0R" RES01005 32.271,7.75 r180 bottom
R109 "0R" RES01005 44.281,6.935 r270 bottom
R110 "0R" RES01005 44.281,7.815 r90 bottom
R111 "0R" RES01005 44.041,9.365 r90 bottom
R112 "0R" RES01005 44.041,8.485 r270 bottom
R113 "15R, 1%" RES0201 36.52,21.18 r180 top
R114 "0R" RES0201 21.95,18.9 r0 top
R115 "10k, 1%" RES0201 19.4,16.95 r270 bottom
R116 "10k, 1%" RES0201 16.325,16.075 r0 bottom
R117 "10k, 1%" RES0201 42.5,19.825 r0 bottom
R118 "10k, 1%" RES0201 28.27,20.425 r0 bottom
R119 "10k, 1%" RES0201 28.27,18.775 r0 bottom
R120 "10k, 1%" RES0201 28.27,19.6 r0 bottom
R121 "10k, 1%" RES0201 28.27,21.25 r0 bottom
R122 "10k, 1%" RES0201 27.401,16.32 r270 bottom
R123 "10k, 1%" RES0201 15.2,15.425 r180 bottom
R124 "10k, 1%" RES0201 28.27,17.95 r0 bottom
R125 "0R" RES0201 42.787,20.645 r90 bottom
R126 "3k3, 1%" RES0201 42.507,19.175 r180 bottom
R127 "3k3, 1%" RES0201 29.545,20.35 r0 bottom
R128 "3k3, 1%" RES0201 29.545,18.7 r0 bottom
R129 "3k3, 1%" RES0201 29.545,19.525 r0 bottom
R130 "3k3, 1%" RES0201 29.545,21.175 r0 bottom
R131 "3k3, 1%" RES0201 26.575,15.7 r180 bottom
R132 "3k3, 1%" RES0201 39.066,16.325 r270 bottom
R133 "3k3, 1%" RES0201 29.545,17.875 r0 bottom
R134 "0R" RES0201 40.025,20.85 r0 bottom
R135 "10k, 1%" RES0201 1.705,8.205 r90 top
R136 "0R" RES0201 44.4,19.25 r180 bottom
R137 "0R" RES0201 43.487,20.645 r90 bottom
R138 "0R" RES0201 43.775,18.525 r0 top
R139 "330R, 1%" RES0201 0.9,15.375 r0 bottom
R140 "100k, 1%" RES0201 0.65,13.975 r270 bottom
R141 "330R, 1%" RES0201 49.875,19.325 r270 top
R142 "0R" RES0201 8.675,15.2 r90 top
R143 "10k, 1%" RES0201 34.13,16.35 r0 bottom
R144 "10k, 1%" RES0201 37.489,16.343 r270 bottom
R145 "100k, 1%" RES0201 1.325,9.875 r270 bottom
R146 "330R, 1%" RES0201 51.15,19.325 r270 top
R147 "10k, 1%" RES0201 37.489,18.218 r270 bottom
R148 "10k, 1%" RES0201 34.15,17.355 r90 bottom
R149 "100k, 1%" RES0201 6.045,14.975 r0 top
R150 "0R" RES0201 26.075,4.75 r0 bottom
R151 "0R" RES0201 21.4,10.5 r270 bottom
R152 "0R" RES0402#1 28.8,11.35 r0 top
R153 "47R, 1%" RES0201 26.5,5.825 r90 bottom
R154 "0R" RES0201 26.125,9.025 r0 bottom
R155 "0R" RES0201 26.15,7.775 r0 bottom
R156 "0R" RES0201 0.625,9.875 r90 bottom
R157 "0R" RES0201 16.85,8.125 r180 bottom
R158 "0R" RES0201 18.15,8.125 r0 bottom
R159 "0R" RES0201 25.6,10 r90 bottom
R160 "10k, 1%" RES0201 25.475,11.245 r270 bottom
R161 "0R" RES0201 0.9,8.875 r180 bottom
R162 "100R, 1%" RES0201 21.12,1.065 r90 top
R163 "10k, 1%" RES0201 22.425,2.175 r270 top
R164 "0R" RES0201 18.65,5 r0 top
R165 "0R" RES0201 19.775,5 r180 top
R166 "10k, 1%" RES0201 21.77,1.065 r270 top